# Altium PCB PCB1.PcbDoc (part 14 of 15)
Units mm, origin at the board's own origin, x right, y up, seen from the top; angles counter-clockwise.
Board outline 77.21 x 58.7 mm, 2 copper layers (Top Layer, Bottom Layer); 194 components, 134 nets, 25878 pads, 596 vias.
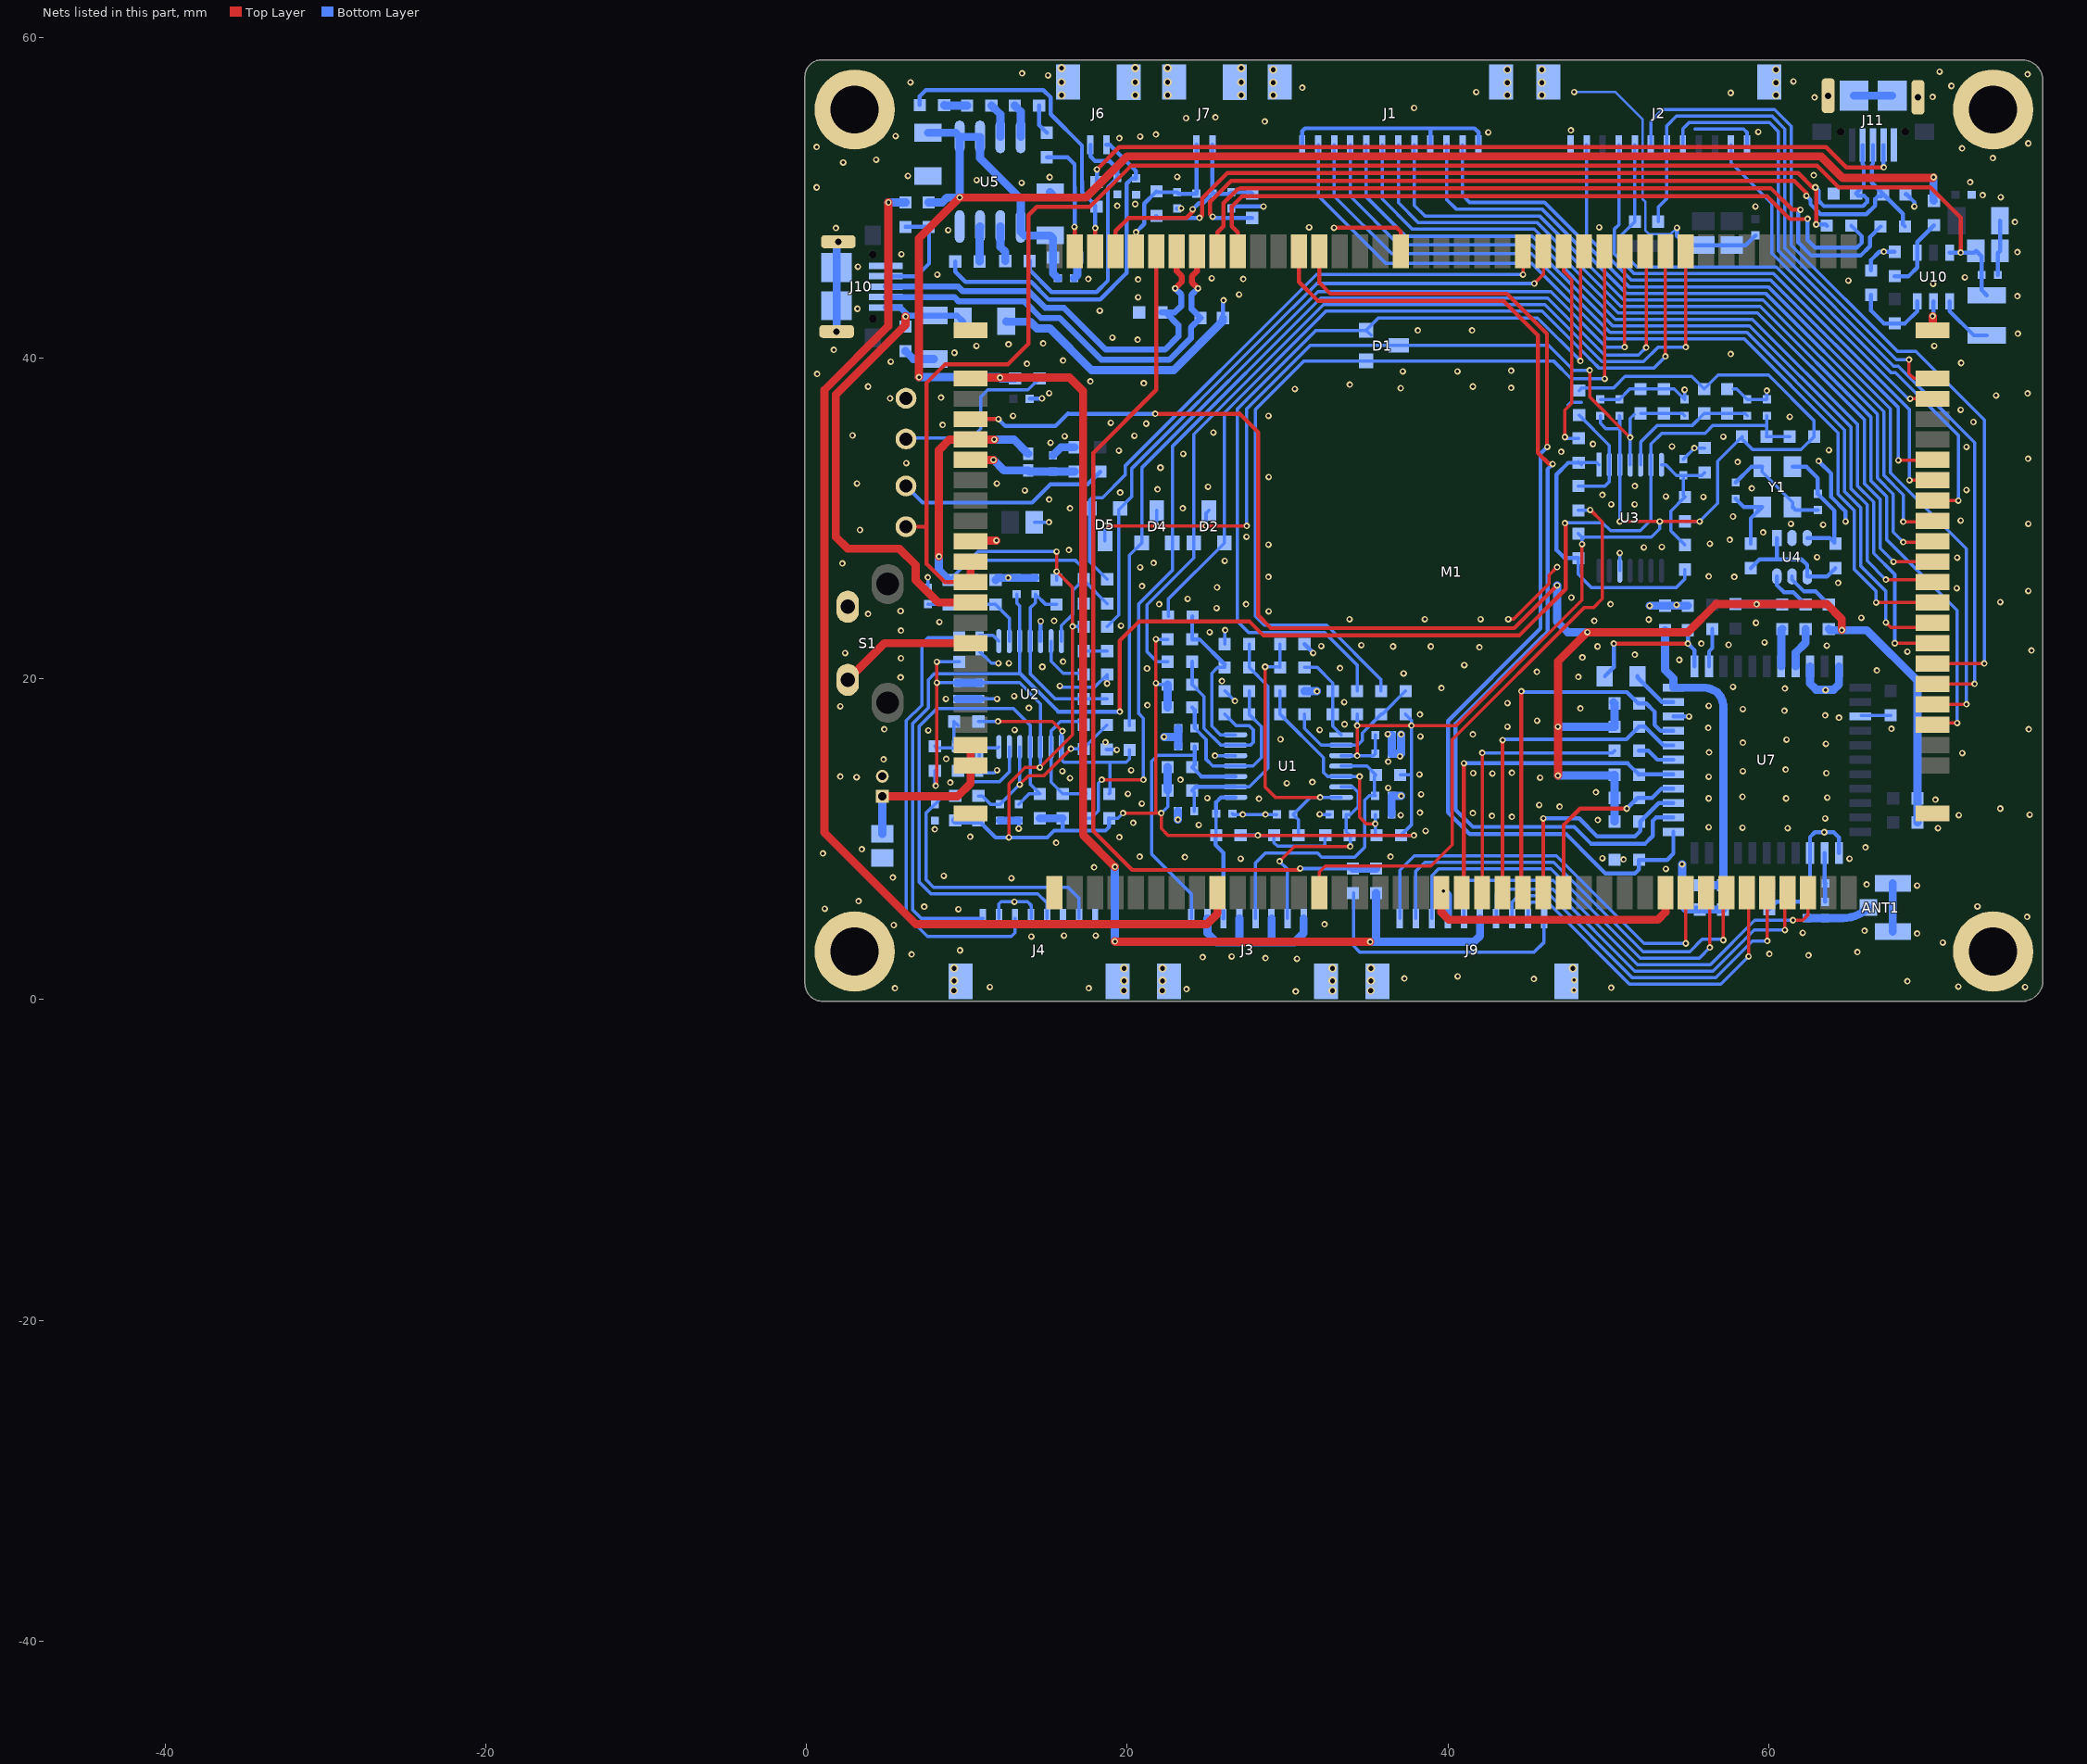
[diagram p14: the nets of this part, all layers, seen from the top]

## Via types
v1: diameter 0.406, hole 0.203, Top Layer to Bottom Layer, tented both sides, 554 vias
v2: diameter 0.508, hole 0.305, Top Layer to Bottom Layer, tented both sides, 42 vias

## Nets (pads, with @x,y where several pads share a name; then routed paths per layer and width w, separated by ;. In a path a pad name is that pad's centre, name@x,y a point inside that pad or via, vN(x,y) a via of type N, cw(c..) or ccw(c..) an arc to the next point about the centre after c; other vN are vias at no path point) (continued)
GND: ANT1.2 ANT1.3 C1.1 C2.1 C3.1 C4.1 C5.2 C6.2 C7.2 C8.2 C9.1 C10.2 C11.1 C12.1 C13.1 C14.1 C15.2 C16.2 C17.2 C18.2 C19.1 C20.2 C21.1 C22.1 C23.2 C24.2 C25.2 C26.2 C27.2 C28.2 C29.2 C30.1 C31.2 C32.1 C33.1 C34.2 C35.1 C36.2 C37.1 C39.2 C40.2 C41.2 C42.2 C43.2 C44.1 C45.2 C47.1 C48.1 C50.2 C51.2 C55.1 C56.1 C57.2 C102.2 C103.1 C104.2 C105.1 C110.2 D3.2 D7.K D11.1 D12.1 D21.1 D22.1 J1.1 J1.9 J1.12 J1.13 J1.14 J2.1 J2.12 J2.13 J2.14 J3.1 J3.3 J3.5 J3.7 J3.9 J3.10 J4.1 J4.3 J4.5 J4.7 J4.9 J4.10 J6.3 J6.4 J7.3 J7.4 J8.2 J9.7 J9.11 J9.12 J10.5 J10.6 J11.5 J11.6 M1.9 M1.40 M1.51 M1.103 M1.121 M1.122 M1.123 M1.124 pad.0 R21.1 R22.1 R23.1 R24.1 R45.1 R47.1 R48.1 R49.1 R52.1 R59.1 R61.1 R74.2 R76.1 R77.2 R82.2 R102.1 R104.1 S1.1 U1.12 U2.12 U3.12 U4.2 U5.8 U7.1 U7.3 U7.20 U7.31 U7.33 U7.36 U10.2 Y1.2 Y1.4 | length 210.6
  Top Layer w0.203: v1(43.764,23.724) 44.095,23.724 46.304,25.933 46.304,26.467 v1(46.812,26.975)
  Top Layer w0.254: v1(32.893,48.133) 36.805,48.133 37.056,47.882 M1.103@37.056,46.67
  Top Layer w0.508: M1.9@10.231,28.575 10.282,28.626 v1(11.836,28.626) ; M1.40@39.596,6.67 39.596,5.438 40.056,4.978 53.086,4.978 53.566,5.458 M1.51@53.566,6.67 ; M1.124@70.231,41.735 v1(70.231,42.621)
  Bottom Layer w0.152: v1(47.879,56.591) 50.444,56.591 52.146,54.889 52.146,49.911 52.324,49.733 52.324,47.955 52.553,47.727 53.873,47.727 v1(54.28,48.133)
  Bottom Layer w0.203: C17.2@7.569,25.679 v1(7.569,26.34) ; R49.1@9.449,14.275 10.884,14.275 11.024,14.135 11.722,14.135 v1(11.887,14.3) ; C13.1@10.795,21.704 11.519,20.98 v1(11.963,20.98) ; C19.1@10.82,18.745 v1(11.887,18.745) ; J4.7@12,5.055 12,5.955 12.141,6.096 v1(12.967,6.096) 13.792,6.096 14,5.888 J4.5@14,5.055 ; 12.751,11.138 12.776,11.163 ; v1(13.233,10.668) C12.1@13.233,11.163 ; C29.2@14.212,29.769 v1(15.113,29.769) ; v1(15.799,19.558) 15.875,19.482 17.958,19.482 R48.1@18.745,20.269 v1(18.745,19.71) ; v1(25.476,15.215) 25.478,15.217 U1.12@26.741,15.217 ; R22.1@26.081,19.24 26.099,19.24 v1(26.721,18.618) ; R24.1@26.081,22.161 26.081,23.008 v1(26.111,23.038) ; C3.1@26.564,11.595 26.614,11.544 v1(27.203,11.544) v1(28.626,11.544) C5.2@29.332,11.544 ; v1@32.017,11.544 C1.1@32.634,11.544 ; 47.48,37.059 47.658,37.236 48.336,37.236 ; C31.2@49.505,37.427 C30.1@50.698,37.427 51.346,38.075 R52.1@52.019,38.075 D3.2@53.467,38.075 54.115,38.075 C22.1@54.762,37.427 v1(54.762,38.024) ; U3.12@50.719,26.746 v1(50.719,27.846) ; C26.2@54.686,33.706 v1(55.372,34.392) R61.1@56.007,34.392 ; 55.403,54.28 58.445,54.28 58.654,54.071 J2.12@58.654,53.3 ; 57.81,38.087 58.014,38.087 C27.2@58.674,37.427 C21.1@59.893,37.427 v1(59.893,37.973) ; Y1.2@59.595,33.218 59.595,32.912 61.495,31.012 Y1.4@61.495,30.718 ; U7.36@65.782,17.729 R74.2@67.615,17.729
  Bottom Layer w0.254: J10.6@1.878,47.152 J10.6@1.985,47.259 ; C23.2@13.919,37.465 14.656,37.465 v1(14.681,37.49) ; U2.12@14.595,22.352 14.595,23.586 v1(14.605,23.597) ; R45.1@18.72,15.596 19.329,15.596 v1(19.355,15.57) ; C35.1@23.114,49.327 C35.1@23.122,49.335 ; D22.1@25.971,42.507 25.971,43.574 v1(26.01,43.612) ; C39.2@26.492,49.327 26.492,49.454 v1(28.499,49.454) ; J1.1@30.909,53.3 30.909,54.15 31.09,54.331 38.837,54.331 ; R23.1@31.059,22.161 31.598,21.623 v1(31.598,21.615) ; J1.9@38.909,53.3 38.909,54.258 38.837,54.331 ; J1.12@41.909,53.3 41.909,54.078 41.656,54.331 38.837,54.331 ; U7.20@54.06,17.657 55.038,17.657 v1(55.042,17.653) ; v1(54.28,48.133) 54.28,47.625 54.867,47.038 C28.2@55.931,47.038 C24.2@57.709,47.038 58.569,47.038 C25.2@59.182,47.65 ; C34.2@57.944,32.242 58.92,33.218 Y1.2@59.595,33.218 ; R77.2@60.043,5.636 60.503,6.096 C47.1@62.382,6.096 62.535,6.248 C48.1@62.535,7.239 62.585,7.289 U7.3@62.585,9.132 62.585,10.134 62.89,10.439 v1(63.475,10.439) 64.059,10.439 64.385,10.113 U7.1@64.385,9.132 ; Y1.4@61.495,30.718 61.682,30.531 C45.2@63.068,30.531 ; v1(63.119,33.579) 63.906,32.791 63.906,31.335 64.795,30.446 v1(64.795,29.82) ; R104.1@66.389,45.466 66.389,46.126 66.897,46.634 v1(67.183,46.634) R102.1@67.862,46.634 ; D12.1@68.555,50.216 68.58,50.241 69.088,49.733 v1(69.088,49.454) ; v1(70.231,42.621) 70.282,42.672 U10.2@70.282,43.536 ; C103.1@74.295,45.187 74.295,46.545 C102.2@74.435,46.685 74.435,48.555 C104.2@74.426,48.565
  Bottom Layer w0.508: J10.6@1.878,41.659 J10.6@1.878,43.265 J10.6@1.878,45.652 J10.6@1.878,47.152 ; C44.1@6.172,40.435 6.658,39.949 C42.2@7.95,39.949 ; C20.2@9.411,18.745 C19.1@10.82,18.745 ; R47.1@11.786,26.162 11.925,26.302 v1(12.573,26.302) C18.2@14.275,26.302 ; C16.2@12.065,11.163 12.776,11.163 C12.1@13.233,11.163 ; C43.2@12.454,42.29 12.478,42.266 13.948,42.266 14.354,41.859 15.164,41.859 17.767,39.256 22.9,39.256 25.971,42.327 D22.1@25.971,42.507 ; C32.1@15.189,50.347 C32.1@15.295,50.241 ; C50.2@15.367,33.934 15.875,34.442 R76.1@16.713,34.442 ; C33.1@16.688,44.983 16.891,45.187 C110.2@16.891,46.279 ; v1(22.301,16.383) 23.185,16.383 ; C7.2@23.16,11.747 23.16,11.232 v1(23.165,11.227) ; C4.1@23.185,15.786 23.185,16.383 ; C8.2@23.185,16.929 23.185,16.383 ; J3.7@25,5.055 25,4.159 25.578,3.581 26.949,3.581 ; J3.5@27,5.055 27,3.632 26.949,3.581 ; J3.3@29,5.055 29,3.676 28.905,3.581 ; J3.1@31,5.055 31,4.152 30.429,3.581 28.905,3.581 ; R21.1@31.059,19.24 31.814,19.24 v1(31.826,19.228) ; C6.2@36.482,11.544 C2.1@36.482,12.713 37.071,12.713 v1(37.084,12.7) ; C10.2@36.495,16.497 C9.1@36.495,15.329 37.071,15.329 37.084,15.341 v1(37.084,16.535) ; v1(39.726,6.782) 40,6.507 J9.7@40,5.055 ; v1(52.578,24.562) C56.1@54.966,24.562 ; v1(54.61,8.433) 54.61,5.867 54.864,5.613 C57.2@55.702,5.613 ; C57.2@55.956,5.613 C51.2@57.15,5.613 ; U7.31@62.585,20.782 62.585,19.711 62.967,19.329 64.059,19.329 64.385,19.655 U7.33@64.385,20.782 ; J11.6@65.319,56.364 J11.6@67.707,56.364 ; ANT1.3@67.742,4.239 ANT1.2@67.742,7.239 ; 26.949,3.581 28.905,3.581
  other v1: 30.505,0.508 47.854,0.584 23.698,0.66 5.512,0.711 17.602,0.711 50.19,0.737 11.43,0.787 75.997,0.787 71.831,0.813 68.656,1.143 47.879,1.219 45.364,1.295 37.287,1.321 40.615,1.448 30.582,2.54 28.626,2.591 24.714,2.642 26.518,2.692 62.484,2.769 6.553,2.819 60.046,2.845 65.532,2.972 9.576,3.073 70.866,3.556 14.021,3.937 16.053,3.988 18.034,3.988 69.266,4.115 62.128,4.166 65.989,4.293 5.436,4.648 32.309,4.699 76.124,5.156 9.474,5.639 1.143,5.664 7.341,5.791 73.025,5.817 3.251,6.147 69.266,7.112 66.116,7.188 12.776,7.569 5.385,7.62 8.56,7.722 53.594,8.153 17.932,8.255 50.952,8.738 27.076,8.788 65.049,8.788 49.632,8.814 23.597,8.89 20.777,8.915 36.424,8.915 1.016,9.119 3.454,9.373 66.04,9.5 15.57,9.779 19.507,10.135 10.211,10.16 38.608,10.516 8.001,10.617 61.189,10.693 70.561,10.693 58.369,10.719 56.261,10.744 24.46,10.897 20.371,11.024 49.352,11.201 63.525,11.303 43.993,11.405 42.748,11.455 37.059,11.506 71.857,11.506 76.276,11.532 32.004,11.557 41.554,11.633 38.252,11.659 74.447,11.913 46.965,12.04 45.695,12.141 20.904,12.217 70.409,12.471 28.219,12.522 56.261,12.548 61.087,12.548 24.994,12.573 63.652,12.598 58.369,12.649 38.329,12.802 20.041,12.827 49.225,12.929 36.271,13.208 29.947,13.487 8.966,13.538 31.547,13.564 23.317,13.716 16.434,13.818 45.745,13.843 3.124,13.868 56.261,13.894 2.108,13.919 38.227,14.046 42.774,14.097 41.58,14.122 63.602,14.122 43.993,14.148 15.951,14.249 58.395,14.249 20.244,14.3 61.062,14.351 36.271,14.834 4.801,14.986 8.712,15.011 37.008,15.164 72.085,15.367 56.286,15.418 63.576,15.951 58.395,16.027 18.644,16.053 61.112,16.205 29.566,16.231 38.278,16.408 41.554,16.535 36.246,16.561 7.595,16.789 12.979,16.815 32.004,16.815 4.851,16.866 76.225,16.866 67.666,16.891 56.236,16.942 43.713,17.018 33.553,17.17 45.568,17.399 64.389,17.577 63.525,17.729 38.252,17.78 60.985,18.009 58.395,18.11 48.26,18.161 13.868,18.186 2.108,18.288 56.261,18.313 21.26,18.364 43.713,18.491 33.528,18.542 8.687,18.745 12.954,18.923 63.551,19.304 61.011,19.406 39.599,19.431 57.785,19.507 25.908,19.863 5.867,20.091 48.133,20.117 37.236,20.345 45.542,20.447 66.751,20.523 21.234,20.65 33.274,20.676 14.707,20.752 41.021,20.853 12.624,20.98 16.002,21.082 54.432,21.184 5.893,21.285 48.387,21.336 51.664,21.514 2.413,21.615 68.656,21.692 76.403,21.768 41.961,21.971 36.576,22.022 38.938,22.022 49.327,22.022 32.106,22.047 63.627,22.073 34.595,22.098 57.506,22.123 55.804,22.2 59.741,22.276 25.146,22.911 5.893,23.012 19.609,23.317 59.207,23.495 8.28,23.546 15.443,23.622 49.124,23.622 52.527,23.698 33.858,23.724 38.557,23.724 42.037,23.724 65.786,23.8 3.835,24.054 28.829,24.206 5.867,24.232 25.578,24.409 54.254,24.613 21.996,24.663 27.407,24.663 50.14,24.663 74.447,24.79 23.774,24.994 47.701,25.07 76.2,25.476 71.73,25.654 25.603,25.705 20.93,25.781 64.338,25.984 28.804,26.365 57.861,26.365 56.261,26.391 20.803,26.949 2.235,27.203 21.641,27.229 26.086,27.356 71.755,27.559 63.017,27.584 16.358,28.042 52.222,28.194 53.34,28.219 28.804,28.372 56.337,28.423 57.582,28.677 27.432,28.854 59.665,29.134 3.327,29.286 63.398,29.616 61.392,29.667 76.2,29.667 71.984,29.87 57.785,30.124 16.434,30.632 23.47,30.632 50.19,30.886 51.638,30.886 15.138,31.191 55.931,31.344 53.594,31.369 49.632,31.471 19.558,31.623 13.614,31.75 72.339,31.775 21.895,31.826 58.953,31.877 25.044,31.979 51.664,32.029 3.15,32.182 11.862,32.182 28.829,32.588 22.073,33.172 6.223,33.452 58.064,33.528 76.175,33.731 23.495,34.036 47.066,34.163 19.482,34.239 63.754,34.265 72.339,34.468 53.975,34.493 49.047,34.646 15.215,34.722 57.175,35.103 16.104,35.128 20.447,35.154 2.87,35.179 25.375,35.357 8.484,35.839 21.184,35.916 18.974,35.966 72.771,36.017 61.316,36.347 12.878,36.398 28.804,36.398 71.984,36.779 5.207,37.49 8.382,37.541 74.193,37.668 76.149,37.795 15.138,37.821 30.455,38.075 37.059,38.125 43.942,38.151 3.835,38.227 41.554,38.227 33.884,38.354 21.031,38.43 17.704,38.557 0.66,39.014 37.186,39.167 40.589,39.167 43.942,39.218 13.741,39.649 72.009,39.7 5.258,39.776 16.002,39.853 57.633,40.259 9.22,40.335 1.702,40.513 10.592,40.767 70.333,40.767 12.598,40.869 14.757,40.919 20.65,41.148 19.075,41.275 75.54,41.529 38.125,41.732 41.504,41.732 18.288,42.951 3.175,43.078 20.676,43.79 75.514,43.866 26.975,43.967 70.256,44.628 64.973,44.831 20.676,44.907 17.577,44.933 27.229,44.933 25.273,44.983 72.238,45.034 8.153,45.212 3.2,45.695 5.918,46.482 75.514,46.609 8.839,47.981 1.829,48.108 31.344,48.158 49.428,48.158 75.362,48.489 23.37,49.335 59.182,49.454 19.38,49.505 20.498,49.606 74.473,50.038 73.355,50.165 0.635,50.648 13.411,50.927 72.568,50.978 10.617,51.105 15.164,51.283 23.114,51.308 6.325,51.359 62.814,51.41 2.286,52.197 4.343,52.375 73.99,52.476 72.06,53.086 0.635,53.162 76.2,53.391 19.507,53.721 20.803,53.823 5.563,53.848 21.793,53.95 42.52,54.077 59.36,54.102 47.676,54.204 28.575,54.762 23.673,54.966 25.502,55.016 37.897,55.601 62.865,56.261 70.231,56.286 57.633,56.54 41.758,56.591 30.912,56.871 71.399,56.972 6.477,57.201 61.544,57.252 15.062,57.633 76.149,57.709 13.437,57.76 70.663,57.861
  other v2: 9.195,0.559 19.787,0.559 22.192,0.559 32.809,0.559 35.188,0.559 9.2,1.175 19.8,1.175 22.2,1.175 32.8,1.175 35.2,1.175 9.2,1.955 19.8,1.955 22.2,1.955 32.8,1.955 35.2,1.955 47.8,1.955 47.8,1.955 47.8,1.955 15.904,56.4 20.504,56.4 22.514,56.4 27.114,56.4 29.109,56.4 43.709,56.4 45.854,56.4 60.454,56.4 29.109,57.18 43.709,57.18 45.854,57.18 60.454,57.18 15.904,57.2 20.504,57.2 22.514,57.2 27.114,57.2 29.109,57.98 43.709,57.98 45.854,57.98 60.454,57.98 15.904,58.08 20.504,58.08 22.514,58.08 27.114,58.08
HPL: C101.1 M1.118 R120.1 | length 19.8
  Top Layer w0.254: M1.118@18.006,46.67 18.006,48.105 v1(18.009,48.108)
  Bottom Layer w0.254: C101.1@7.061,55.778 7.061,56.337 7.442,56.718 14.767,56.718 15.224,56.262 15.224,55.211 17.174,53.261 17.174,51.037 17.18,51.03 17.18,50.358 18.009,49.53 v1(18.009,48.108)
HPR: C100.1 M1.119 | length 7.4
  Top Layer w0.254: v1(16.713,48.184) 16.736,48.161 M1.119@16.736,46.67
  Bottom Layer w0.254: C100.1@14.986,52.527 16.281,52.527 16.716,52.092 16.716,50.68 16.723,50.673 16.723,48.184 v1(16.713,48.184)
LEFT-F: D2.1 M1.90 R13.2 | length 52.7
  Top Layer w0.203: M1.90@53.566,46.67 53.566,40.109 v1(53.569,40.107)
  Bottom Layer w0.203: R13.2@22.601,23.889 R13.2@22.55,23.889 22.55,24.963 D2.1@26.06,28.473 26.06,36.588 32.398,42.926 45.88,42.926 48.793,40.012 48.793,40.005 49.047,39.751 49.055,39.751 49.352,39.453 49.352,39.446 49.428,39.37 52.832,39.37 v1(53.569,40.107)
LEFT-H: D1.2 M1.94 R9.2 | length 55.8
  Top Layer w0.203: v1(48.26,39.827) 48.26,46.139 48.108,46.292 M1.94@48.486,46.67 M1.94@48.514,46.642
  Bottom Layer w0.203: R9.2@34.336,19.24 34.336,20.868 32.326,22.877 27.592,22.877 26.873,23.597 26.873,36.827 31.779,41.732 D1.2@34.9,41.732 35.662,42.494 45.593,42.494 v1(48.26,39.827) ; D1.2@34.925,41.707 D1.2@35.204,41.427
LEFT-L: D4.2 M1.92 R33.2 | length 58.5
  Top Layer w0.203: v1(51.026,40.691) M1.92@51.026,46.67
  Bottom Layer w0.203: R33.2@20.142,17.094 20.142,27.711 D4.2@20.904,28.473 20.904,33.156 31.893,44.145 46.419,44.145 49.873,40.691 v1(51.026,40.691)
LEFTF: C3.2 J3.6 R5.1 U1.8 | length 8.8
  Bottom Layer w0.203: R5.1@25.5,10.201 R5.1@25.548,10.249 C3.2@25.548,11.595
  Bottom Layer w0.254: R5.1@25.5,10.201 25.5,9.654 26,9.154 J3.6@26,5.055 ; C3.2@25.548,11.595 25.548,12.306 25.858,12.617 U1.8@26.741,12.617
LEFTH: C1.2 J3.2 R1.1 U1.6 | length 13.7
  Top Layer w0.203: v1(29.5,8.621) 30.429,9.55 v1(33.909,9.55)
  Bottom Layer w0.203: v1(29.5,8.621) 30,8.121 J3.2@30,5.055 ; U1.6@33.341,13.267 34.053,13.267 34.396,12.924 34.396,12.036 33.904,11.544 C1.2@33.65,11.544 33.65,10.477 R1.1@33.879,10.249 33.909,10.219 v1(33.909,9.55)
LEFTL: C11.2 J4.2 R25.1 U2.6 | length 23.3
  Bottom Layer w0.203: U2.6@12.645,15.752 12.645,14.194 12.027,13.576 10.325,13.576 9.449,12.7 R25.1@9.271,12.7 8.522,12.7 7.442,11.62 7.442,7.493 7.925,7.01 16.307,7.01 17,6.317 J4.2@17,5.055
LRADC0: M1.115 R68.2 R69.1 | length 56.5
  Top Layer w0.254: M1.115@21.816,46.67 21.816,38.021 17.882,34.087 17.882,10.516 20.309,8.088 30.694,8.088 v1(30.785,8.179)
  Bottom Layer w0.254: v1(30.785,8.179) 30.775,8.169 R69.1@34.077,8.169
  Bottom Layer w0.508: R69.1@34.077,8.169 R68.2@35.525,8.169
MCLK-IN: R63.1 U7.30 | length 2.6
  Bottom Layer w0.508: U7.30@61.685,20.782 61.685,21.629 62.306,22.25 R63.1@62.306,23.114
MIC+: C35.2 C38.1 J7.1 M1.116 R110.1 | length 8.7
  Bottom Layer w0.254: v1(20.549,47.854) 21.057,48.362 21.057,49.632 R110.1@21.768,50.343 ; R110.1@21.819,50.394 R110.1@21.768,50.343 ; J7.1@24.314,53.3 24.314,50.26 C38.1@24.308,50.254 23.203,50.254 C35.2@23.114,50.343 R110.1@21.768,50.343
MIC-: C38.2 C39.1 J7.2 M1.117 R111.1 | length 14
  Top Layer w0.254: M1.117@19.276,46.67 19.276,47.93 20.089,48.743 23.691,48.743 24.122,49.174 24.122,49.233 v1(24.079,49.276)
  Bottom Layer w0.254: v1(24.079,49.276) 24.473,49.67 24.74,49.67 C38.2@25.324,50.254 ; J7.2@25.314,53.3 25.314,50.264 C38.2@25.324,50.254 ; R111.1@27.788,50.267 27.711,50.343 C39.1@26.492,50.343 26.403,50.254 C38.2@25.324,50.254
MOUTH: C13.2 J4.6 R29.1 U2.8 | length 30.8
  Bottom Layer w0.203: U2.8@11.995,22.352 11.626,22.72 C13.2@10.795,22.72 10.655,22.581 R29.1@9.525,22.581 7.569,22.581 7.188,22.2 7.188,18.364 6.223,17.399 6.223,5.258 7.544,3.937 12.776,3.937 13,4.161 J4.6@13,5.055
MOUTH-T: D5.1 M1.97 R37.2 | length 40
  Top Layer w0.203: M1.97@44.676,46.67 44.676,45.215 v1(44.679,45.212)
  Bottom Layer w0.203: R37.2@18.745,26.213 17.653,27.305 D5.1@17.653,30.632 17.653,31.134 17.812,31.293 18.456,31.293 19.863,32.7 19.863,33.274 31.801,45.212 v1(44.679,45.212)
NetANT1_1: ANT1.1 C47.2 C49.2 | length 4
  Bottom Layer w0.508: C47.2@62.382,5.08 C49.2@63.525,5.08 64.626,5.08 ccw(c64.626,7.33) ANT1.1@66.217,5.739
NetC5_1: C5.1 R11.2 R18.2 R23.2 U1.7 | length 18.5
  Top Layer w0.203: v1(28.6,20.752) 28.6,13.259 29.242,12.617 v1(32.029,12.617)
  Bottom Layer w0.203: v1(28.6,20.752) 29.497,20.752 R18.2@29.535,20.714 R23.2@29.535,22.161 ; R11.2@30.678,10.249 30.678,11.214 C5.1@30.348,11.544 31.421,12.617 v1(32.029,12.617) U1.7@33.341,12.617
NetC6_1: C6.1 R12.2 R17.2 R21.2 U1.5 | length 13.6
  Top Layer w0.203: v1(34.493,13.919) 34.493,11.379 34.9,10.973 v1(35.466,10.973)
  Bottom Layer w0.203: R21.2@29.535,19.24 R17.2@29.535,17.793 32.241,15.087 32.241,14.164 32.489,13.917 U1.5@33.341,13.917 34.491,13.917 v1(34.493,13.919) ; C6.1@35.466,11.544 v1(35.466,10.973) 35.466,10.338 R12.2@35.555,10.249
NetC7_1: C7.1 R15.2 R19.2 R24.2 U1.9 | length 14.9
  Bottom Layer w0.203: R15.2@24.049,13.043 24.176,12.916 C7.1@24.176,11.747 ; U1.9@26.741,13.267 27.626,13.267 28.778,14.419 28.778,19.54 R19.2@27.605,20.714 R24.2@27.605,22.161
  Bottom Layer w0.254: R15.2@24.049,13.043 24.273,13.267 U1.9@26.741,13.267
NetC15_1: C15.1 R35.2 R46.2 R49.2 U2.7 | length 6.6
  Bottom Layer w0.203: R35.2@8.001,15.799 8.099,15.701 10.77,15.701 ; R49.2@9.449,15.799 9.195,16.053 R46.2@9.195,17.348 R46.2@9.449,17.094 ; C15.1@10.77,15.151 10.77,15.701 ; U2.7@11.995,15.752 11.944,15.701 10.77,15.701
NetC16_1: C16.1 R36.2 R42.2 R45.2 U2.5 | length 12.6
  Top Layer w0.203: v1@13.348,13.462 13.856,13.97 14.808,13.97 v1(16.485,15.646)
  Bottom Layer w0.203: R36.2@10.719,12.7 10.963,12.7 11.483,12.179 C16.1@12.065,12.179 v1(13.295,13.409) U2.5@13.295,15.752 ; v1(16.485,15.646) 17.272,15.646 R42.2@17.297,15.621 17.297,15.697 R45.2@18.72,17.12
NetC17_1: C17.1 R40.2 R43.2 R47.2 U2.9 | length 6.9
  Bottom Layer w0.203: C17.1@7.569,24.663 7.595,24.638 R40.2@8.865,24.638 R43.2@10.312,24.638 R47.2@11.786,24.638 12.645,23.779 U2.9@12.645,22.352
NetC18_1: C18.1 R41.2 R44.2 R48.2 U2.11 | length 12.1
  Bottom Layer w0.203: R41.2@15.596,24.638 14.922,24.638 C18.1@14.275,25.286 14.275,24.74 13.945,24.409 13.945,20.321 15.52,18.745 R44.2@17.297,18.745 R48.2@18.745,18.745
NetC22_2: C22.2 D1.3 D2.3 D3.1 D4.3 D5.3 R52.2 U3.4 | length 54
  Top Layer w0.203: v1(18.618,29.54) v1(21.819,29.54) v1(24.917,29.54) v1(27.457,29.54) ; v1(48.844,39.243) 48.844,37.577 v1(51.369,35.052)
  Bottom Layer w0.203: D5.3@18.618,28.6 v1(18.618,29.54) ; v1(21.819,29.54) 21.844,29.566 D4.3@21.844,30.505 ; v1(24.917,29.54) 24.917,30.328 D2.3@25.095,30.505 ; v1(27.457,29.54) 27.457,36.836 31.414,40.792 D1.3@36.932,40.792 46.279,40.792 47.828,39.243 v1(48.844,39.243) ; U3.4@51.369,33.346 v1(51.369,35.052) 51.369,36.231 51.626,36.487 ; R52.2@52.019,36.551 D3.1@53.467,36.551 54.623,36.551 C22.2@54.762,36.411
NetC26_1: C26.1 R57.2 R60.1 R61.2 U3.7 | length 8.2
  Bottom Layer w0.203: U3.7@53.319,33.346 53.598,33.346 54.254,32.69 C26.1@54.686,32.69 ; R60.1@54.783,28.346 53.899,29.231 53.899,30.455 R57.2@54.788,31.344 54.686,31.445 C26.1@54.686,32.69 ; R61.2@56.007,32.868 55.829,32.69 C26.1@54.686,32.69
NetC27_1: C27.1 R58.1 R59.2 U3.5 | length 8.9
  Bottom Layer w0.203: U3.5@52.019,33.346 52.019,34.773 53.035,35.789 55.22,35.789 R58.1@55.982,36.551 R59.2@57.404,36.551 58.534,36.551 C27.1@58.674,36.411
NetC34_1: C34.1 R62.2 Y1.1 | length 4.4
  Bottom Layer w0.254: C34.1@57.944,31.226 58.452,30.718 Y1.1@59.595,30.718 58.884,30.007 R62.2@58.884,28.432
NetC36_1: C36.1 J6.2 L3.1 | length 22
  Bottom Layer w0.254: L3.1@9.271,46.025 9.271,45.39 9.906,44.755 14.009,44.755 15.101,43.663 18.313,43.663 19.964,45.314 19.964,50.876 20.295,51.206 C36.1@20.549,51.206 20.549,51.664 18.912,53.3 J6.2@18.704,53.3
NetC40_1: C40.1 J6.1 L4.1 | length 16.2
  Bottom Layer w0.254: L4.1@13.919,46.05 13.919,45.491 15.291,44.12 18.085,44.12 18.796,44.831 18.796,50.648 C40.1@19.38,51.232 19.38,51.816 18.898,52.299 17.983,52.299 17.704,52.578 J6.1@17.704,53.3
NetC45_1: C45.1 R65.1 U4.3 Y1.3 | length 8.1
  Bottom Layer w0.254: Y1.3@61.495,33.218 62.362,33.218 63.068,32.512 C45.1@63.068,31.547 63.068,31.526 64.11,30.485 64.11,28.489 63.811,28.788 U4.3@62.409,28.788
NetC48_2: C48.2 C49.1 U7.2 | length 3.1
  Bottom Layer w0.254: U7.2@63.485,9.132 63.485,7.305 C48.2@63.551,7.239 63.525,7.214 C49.1@63.525,6.096
NetC56_2: C56.2 L2.2 U7.23 | length 9.3
  Top Layer w0.254: v1(50.343,22.2) v1(54.966,22.2)
  Bottom Layer w0.254: L2.2@49.784,20.168 50.343,20.726 v1(50.343,22.2) ; C56.2@54.966,23.038 v1(54.966,22.2) 55.385,21.78 U7.23@55.385,20.782
NetC100_2: C100.2 R66.1 | length 1.9
  Bottom Layer w0.254: R66.1@14.503,55.753 14.503,54.534 C100.2@14.986,54.051
NetC101_2: C101.2 R67.1 | length 1.4
  Bottom Layer w0.508: C101.2@8.585,55.778 8.611,55.753 R67.1@10.008,55.753
NetD6_K: D6.K R83.1 | length 13.3
  Bottom Layer w0.254: D6.K@6.2,32.028 7.24,30.988 14.072,30.988 15.215,32.131 17.526,32.131 R83.1@18.313,32.918
NetD7_A: D7.A R92.1 | length 11.1